# Altium PCB Middle_PCB_PC104_Shield_Positioning.PcbDoc (part 2 of 2) (continued)
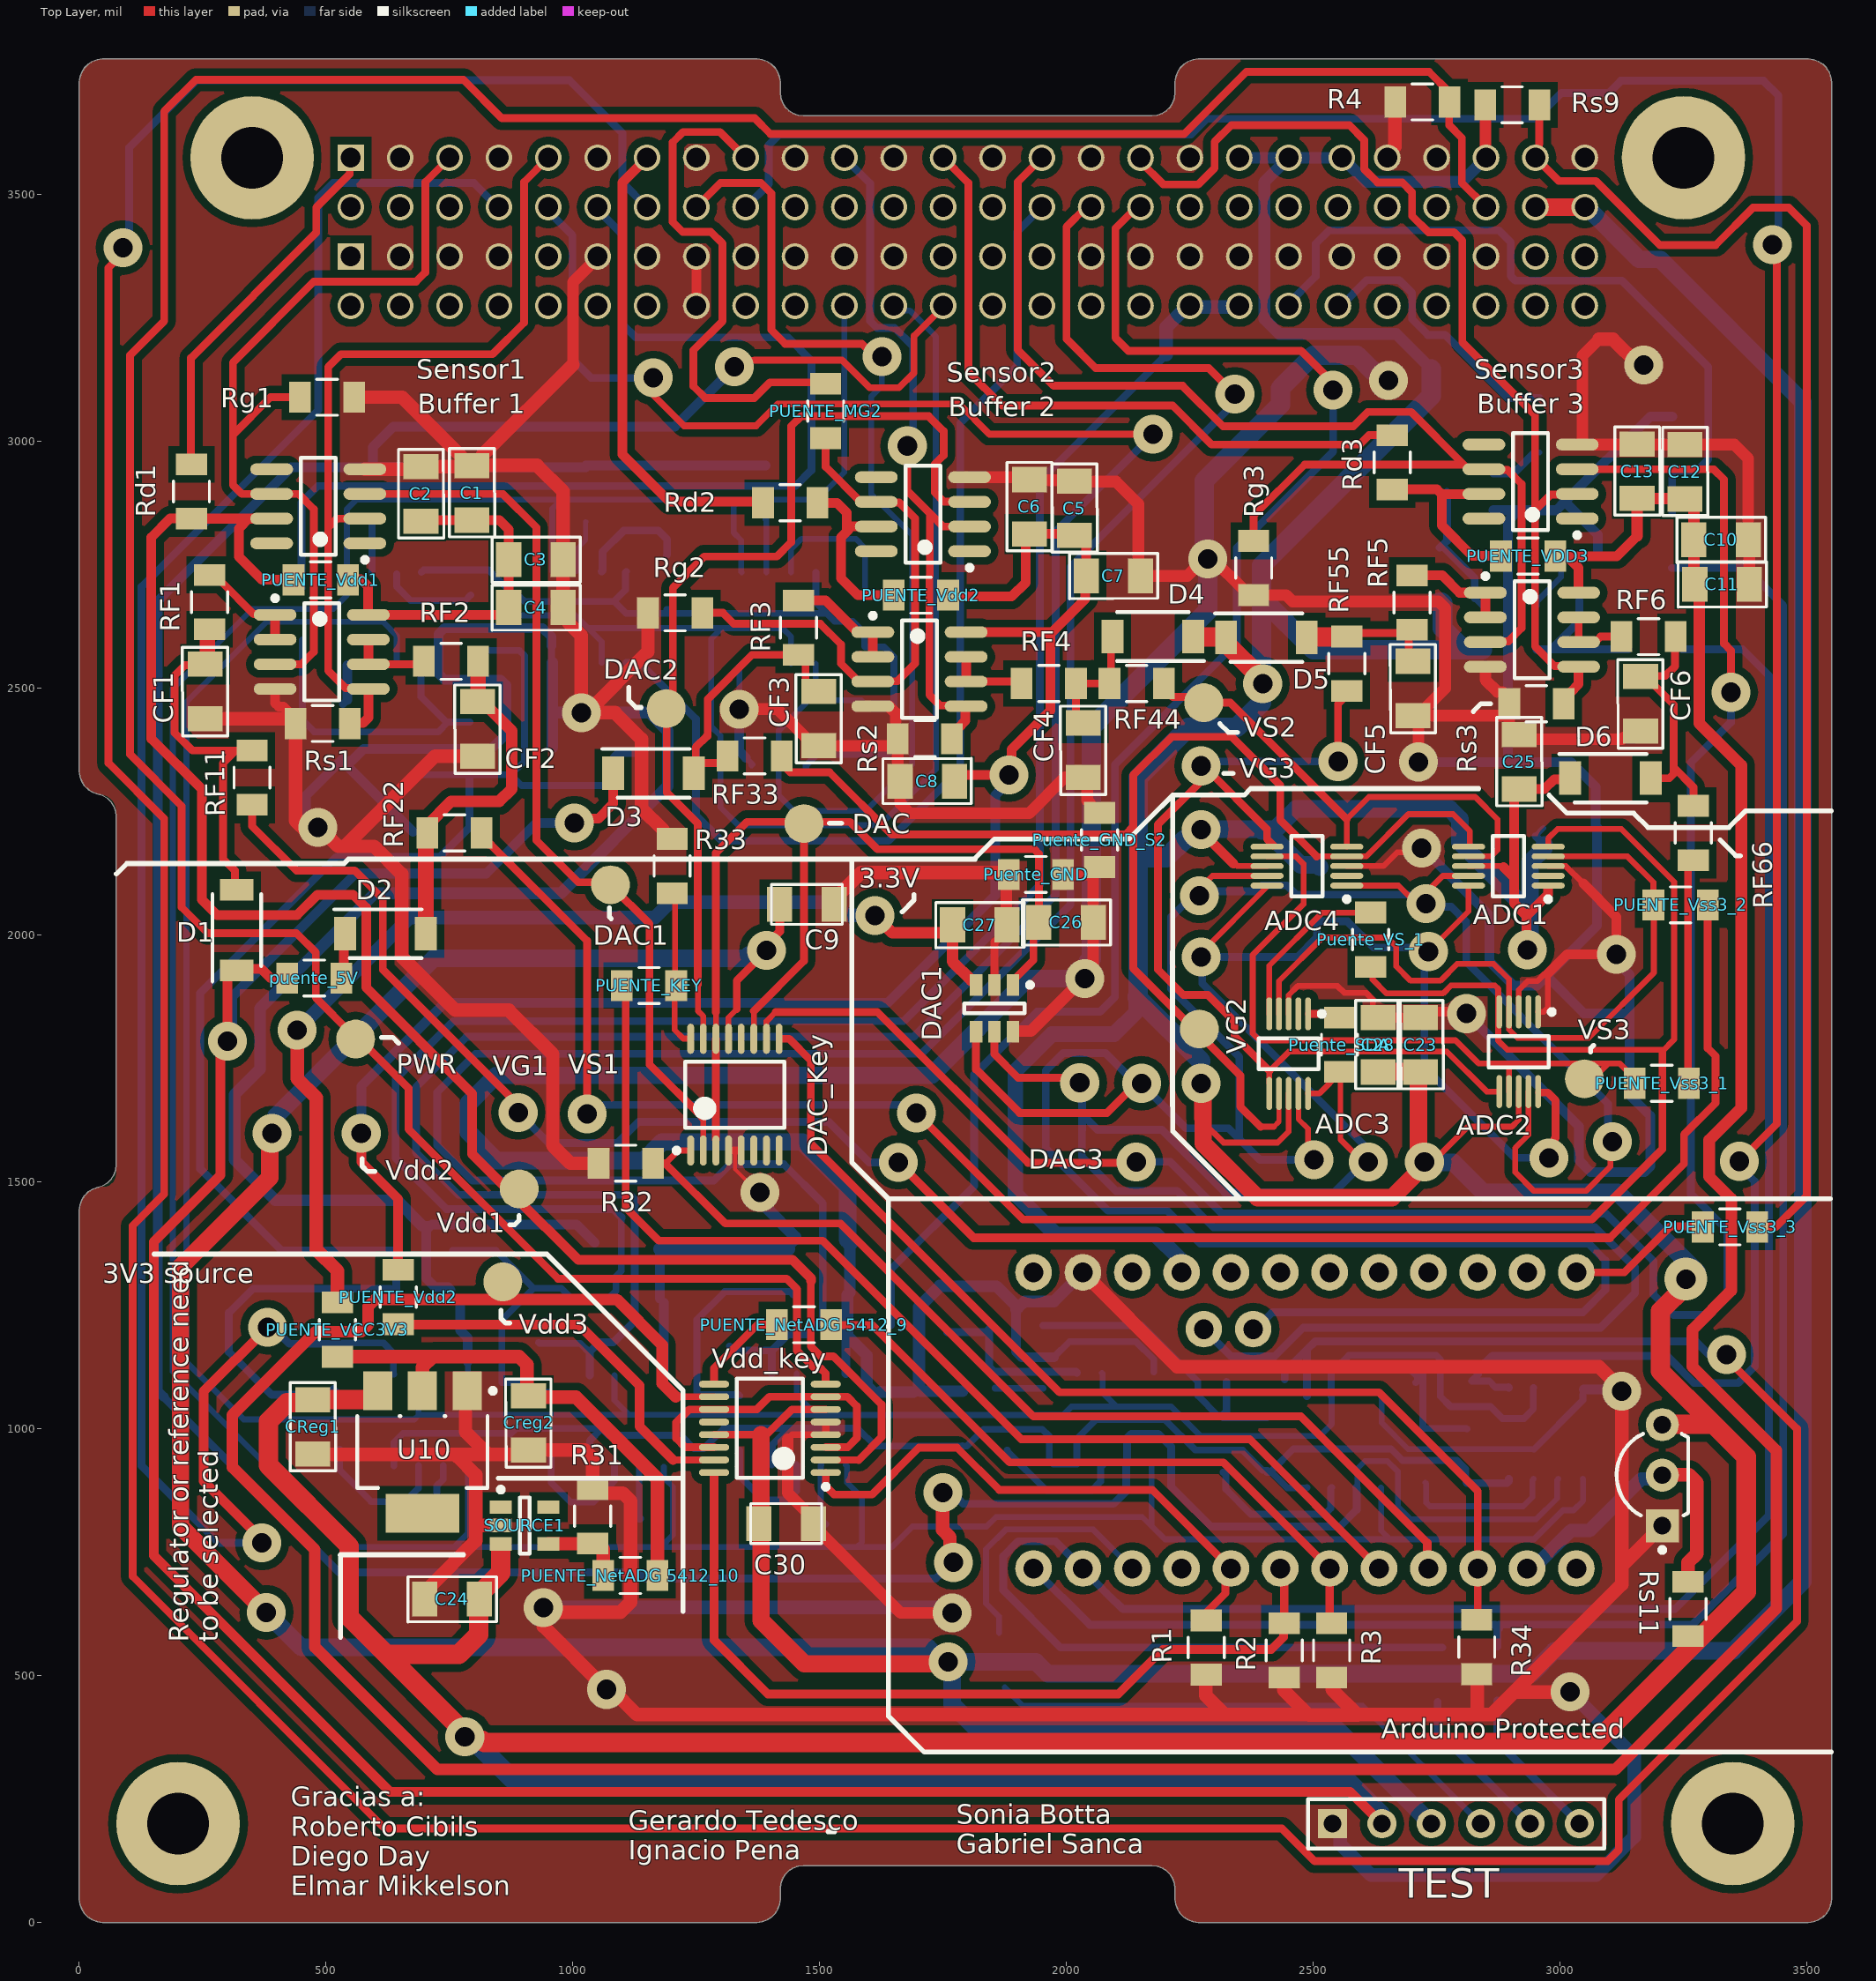
[diagram p0: Top Layer view]
## Nets (pads, with @x,y where several pads share a name; then routed paths per layer and width w, separated by ;. In a path a pad name is that pad's centre, name@x,y a point inside that pad or via, vN(x,y) a via of type N, cw(c..) or ccw(c..) an arc to the next point about the centre after c; other vN are vias at no path point) (continued)
SS_EXP1_CS_U_1: H1.16 R10.1 U3.1 | length 2300.1
  Top Layer w15.75: H1.16@1250.1,3474.84 1299.11,3523.85 1381.15,3523.85 1402,3503 1402,3226 1430,3198 1585.38,3198 1611.66,3171.72 v1(1626.1,3171.72)
  Bottom Layer w11.81: U3.1@1492.1,2549.83 1492.1,2489.85 1478.1,2475.85 ; R10.1@1584.6,2475.85 1478.1,2475.85 ; v1(1626.1,3171.72) 1626.1,3112.85 1604.1,3090.85 1604.1,2893.85 1687.1,2810.85 1687.1,2345.85 1593.1,2251.85 1448.1,2251.85 1417.1,2282.85 1417.1,2414.85 1478.1,2475.85
SS_EXP1_CS_U_2: H1.30 R6.1 U1.1 | length 2207.3
  Bottom Layer w15.75: U1.1@1108.28,2551.81 1111.73,2551.81 1111.92,2552 1135,2552 1249.1,2437.9 R6.1@1249.1,2368.85 1249.1,2243.15 1301.3,2190.95 1639.19,2190.95 1784.67,2336.43 1784.67,3037.43 1900,3152.75 1900,3424.75 H1.30@1950.1,3474.84
SS_EXP2_RXI_P: H2.42 Rs10.1 | length 560.5
  Bottom Layer w15.75: H2.42@2550.1,3272.85 2554.09,3272.85 2608.24,3327 2674,3327 2700,3301 2700,3248 2732,3216 2766.95,3216 2895.1,3087.85 Rs10.1@2958.1,3087.85
SS_EXP2_TXO_P: H2.40 Rs4.2 Rs5.1 | length 1467.1
  Bottom Layer w11.81: Rs5.1@3226.1,2853.85 Rs5.1@3227.1,2854.85
  Bottom Layer w15.75: H2.40@2446.6,3276.35 2505,3334.75 2505,3401 2532,3428 2876,3428 2900.1,3403.9 2900.1,3335.22 2909.32,3326 3125,3326 3300.1,3150.9 3300.1,2963.85 3277.1,2940.85 Rs4.2@3227.1,2940.85 Rs5.1@3227.1,2854.85
Tx: "Arduino Protected.13" PuenteTx1.1 PuenteTx1.2 Rs5.2 TEST.6 | length 4141.6
  Bottom Layer w15.75: 1933.1,716.85 2046.95,603 2869,603 2876.58,595.42 ; PuenteTx1.2@2873,449 2873,365.95 TEST.6@3039.1,199.85 ; PuenteTx1.1@2873,559 2873,599 ; 2876.58,603.17 3268.17,603.17 3452,787 3452,2667.95 3376.1,2743.85 Rs5.2@3226.1,2743.85
VCC_3.3V: C14.2 C15.2 C16.2 C17.2 C18.2 C19.2 C20.2 C21.2 C22.2 H2.36 H2.38 PUENTE_V_3.3.1 PUENTE_V_3.3.2 PUENTE_VCC_3.3V.1 PUENTE_VCC_3.3V.2 PUENTE_VDD_3.3.1 PUENTE_VDD_3.3.2 R5.2 R6.2 R7.2 R8.2 R9.2 R10.2 R14.2 R15.2 R16.2 R17.2 R18.2 R19.2 R23.2 R24.2 R25.2 R26.2 R27.2 R28.2 U1.8 U2.8 U3.8 U4.8 U5.8 U6.8 U7.8 U8.8 U9.8 | length 13595.4
  Bottom Layer w13.78: R18.2@515.01,1080.94 R18.2@527.1,1068.85 ; C19.2@629.98,1283.85 C19.2@641.98,1271.85 ; U6.8@637.1,925.33 637.1,972.1 655.85,990.85 871.1,990.85 PUENTE_VDD_3.3.2@873.1,988.85 885.1,1000.85 1058.03,1000.85 1072.03,986.85 1218.6,986.85 1245.6,959.85 PUENTE_VCC_3.3V.2@1255.1,959.85 1264.6,959.85 1305.75,1001 1437,1001 ; C15.2@686.1,2319.97 690.98,2324.85 R8.2@790.6,2324.85 ; U2.8@693.1,2735.31 697.64,2739.85 829.15,2739.85 866.49,2702.51 866.49,2701.96 881.6,2686.85 PUENTE_VCC_3.3V.2@891.1,2686.85 901.95,2676 1083.95,2676 ; PUENTE_VCC_3.3V.1@756.1,1360.85 844.6,1360.85 R17.2@920.6,1284.85 ; R7.2@792.92,2578.85 794.92,2576.85 PUENTE_VCC_3.3V.1@891.1,2576.85 902.1,2565.85 902.1,2352.85 874.1,2324.85 ; R8.2@800.1,2324.85 874.1,2324.85 ; R16.2@956.1,1069.85 952.06,1073.89 907.56,1073.89 887.6,1093.85 856.1,1093.85 856.1,1220.35 R17.2@920.6,1284.85 ; U5.8@1034.1,923.33 1034.1,976.1 1058.44,1000.44 ; C14.2@1090.16,2368.85 1085.13,2363.82 1081.1,2359.79 1081,2359.69 1081,2311.07 1072.93,2303 895.95,2303 874.1,2324.85 ; 1098.25,1426.77 1098.25,1319.25 1087.26,1308.26 1087.26,1279.14 C18.2@1068.98,1260.85 1000.43,1260.85 976.43,1284.85 R17.2@930.1,1284.85 R17.2@920.6,1284.85 ; U1.8@1108.28,2736.85 1106.4,2734.97 1106.4,2699.4 1083.95,2676.95 1083.95,2676 ; R5.2@1190.1,2659.85 R5.2@1199.6,2659.85 ; R14.2@1338.1,1066.85 1336.1,1068.85 1251.1,1068.85 1251.1,1221.35 1307.6,1277.85 R15.2@1317.1,1277.85 1439.98,1277.85 C17.2@1445.98,1271.85 ; U4.8@1403.1,926.85 1404.13,927.88 1404.13,968.13 1437,1001 ; C16.2@1472.22,2333.85 1472.22,2343.69 1494.37,2365.85 R10.2@1594.1,2365.85 1595.44,2367.2 1638.2,2367.2 1650.41,2379.41 1650.41,2563.59 1630,2584 1591.77,2584 1591,2584.77 1591,2612 1567,2636 1530.27,2636 1514.42,2651.85 ; U3.8@1492.1,2734.87 1492.1,2674.17 1514.42,2651.85 ; C20.2@1789.1,965.73 C20.2@1788.22,964.85 ; R27.2@1855.5,1082.26 1855.1,1081.85 PUENTE_V_3.3.2@1952.1,1081.85 ; R28.2@1952.1,1209.35 2152.6,1209.35 2266.1,1095.85 2266.1,1067.35 2306.6,1026.85 R25.2@2316.1,1026.85 ; R25.2@2317,1022 PUENTE_V_3.3.1@2406,1022 ; PUENTE_V_3.3.2@2406,912 PUENTE_V_3.3.2@2415.5,912 ; PUENTE_V_3.3.2@2407.1,915.85 2397.6,915.85 2356.6,956.85 2261.1,956.85 2199.1,1018.85 2059.85,1018.85 2021.1,980.1 U9.8@2021.1,928.33 1973.07,928.33 1965,936.4 1965,962.85 1965,985 1950.95,999.05 1832.25,999.05 1798.06,964.85 C20.2@1788.22,964.85 ; PUENTE_V_3.3.2@2416.4,911.1 2447.5,880 2486.25,880 U8.8@2487.1,880.85 ; PUENTE_V_3.3.2@2416.6,915.85 2459.99,959.25 2657.36,959.25 2680.55,936.06 2790.94,936.06 2809,918 2809,891.95 PUENTE_V_3.3.1@2811.1,889.85 ; R24.2@2695.99,1120.85 2711.1,1105.74 R24.2@2711.1,1096.85 R24.2@2707.75,1093.5 ; R24.2@2722.1,1115.7 2722.1,1004.85 R23.2@2726.1,1000.85 2810.1,1000.85 PUENTE_V_3.3.2@2811.1,999.85 ; 1083.95,2676 1108.1,2651.85 1190.1,2651.85 1514.42,2651.85 ; 1437,1001 1576.99,1001 1613.26,964.73 C22.2@1623.1,964.73 1709.16,964.73 1709.16,964.85 C20.2@1788.22,964.85
  Bottom Layer w15.75: R18.2@515.01,1080.39 503.47,1068.85 389.8,1068.85 303,1155.65 303,1235 351.85,1283.85 R19.2@528.1,1283.85 C19.2@629.98,1283.85 ; C19.2@641.98,1272.15 PUENTE_VCC_3.3V.2@641.98,1360.85 ; PUENTE_VCC_3.3V.2@646.1,1360.85 PUENTE_VCC_3.3V.2@641.98,1360.85 ; R8.2@790.6,2324.85 790.6,2218.6 731,2159 521,2159 244.88,1882.88 244.88,1526.41 410.44,1360.85 PUENTE_VCC_3.3V.2@641.98,1360.85 ; C14.2@1090.16,2368.85 R6.2@1139.1,2368.85 ; 1098.25,1426.77 1098.25,1428.62 1082.02,1444.85 744.1,1444.85 640.94,1548.01 640.94,1708.7 758.1,1825.85 1670.1,1825.85 1946.1,2101.85 1946.1,2920.28 2201.48,3175.66 ; R25.2@2316.1,1026.85 2324.1,1034.85 R26.2@2324.1,1095 ; PUENTE_V_3.3.1@2811.1,889.85 2892.46,889.85 2896.1,893.49 U7.8@2896.1,898.33
  Bottom Layer w27.56: 2201.48,3175.66 2201.48,3231.08 2243.24,3272.85 H2.38@2350.1,3272.85
VCC_5V: "Arduino Protected.4" ADC1.1 ADC1.8 ADC2.8 ADC3.8 ADC4.8 C23.2 C24.1 C25.2 C28.2 C29.2 CReg1.1 D1.1 D2.1 D3.1 D4.1 D5.1 D6.1 H1.37 H1.39 H1.41 H1.47 IC1.3 puente_5V.1 puente_5V.2 R29.2 R30.2 Rs6.2 Rs7.2 Rs9.1 Rs11.1 SOURCE1.3 TEST.2 U10.3 | length 21271.7
  Top Layer w11.81: 2276.67,1621.28 2318.1,1579.85 2427.85,1579.85 2450.1,1602.1 2450.1,1651.58 ADC3.8@2450.1,1679.14 ; 2341.96,2143.18 2345.28,2139.85 2378.83,2139.85 ADC4.8@2406.39,2139.85 ; v1@2759.45,1558.14 2813.16,1611.85 2902.1,1611.85 2916.1,1625.85 ADC2.8@2916.1,1683.14 ; ADC1.8@2814.39,2139.85 2883.1,2139.85 2885.1,2137.85
  Top Layer w19.68: v1@286,1791 286,1514 151,1379 151,743 630,264 2574.95,264 TEST.2@2639.1,199.85 ; v1(300,1785) 300,1921.12 D1.1@311.71,1932.83 ; D1.1@319,1928.31 322.55,1931.86 369.14,1931.86 388,1913 puente_5V.1@421,1913 ; puente_5V.2@536.25,1927.75 D2.1@536.25,2000.64 ; v1(1003,2227) 1012.38,2236.38 1051.69,2236.38 1081.61,2266.3 D3.1@1081.61,2328 ; v1@2284.51,2198.65 2338.02,2145.15 ; 2885.1,2137.85 2906.6,2116.35 ; v1(2933.68,1970.43) 2932.18,1971.94 2932.18,2038.83 ; ADC1.1@2975.81,2096.54 2975.81,2082.46 2932.18,2038.83 ; D6.1@3020.31,2318 3018.31,2316 2988,2316 2968,2296 2917.12,2296 C25.2@2917,2295.88 2906.6,2285.48 2906.6,2116.35 ; 2906.6,2116.35 2906.6,2064.41 2932.18,2038.83
  Top Layer w23.62: Rs9.1@2848,3682 2849,3681 2849,3576 H1.47@2850,3575
  Top Layer w35.43: v1(2273.11,1699.85) 2276.06,1696.9 2276.06,1629 ; 2276.67,1621.28 2276.67,1578.26 2386.93,1468 2659.25,1468 v1@2720.1,1528.85 ; C28.2@2631.1,1722.73 2632.1,1723.73 C23.2@2716.1,1723.73 ; v1@2713.1,1564.56 2713.1,1720.73 C23.2@2716.1,1723.73 ; C23.2@2717.1,1724.73 C23.2@2716.1,1723.73
  Top Layer w39.37: U10.3@604.55,1061.03 602.49,1058.97 CReg1.1@473.1,1058.97 467.19,1053.06 421.06,1053.06 383,1015 383,926 546.97,762.03 546.97,617.98 622.1,542.85 ; SOURCE1.3@853.87,755.85 853.87,708.35 816.12,670.6 809,663.48 809,583 768.85,542.85 622.1,542.85 ; D4.1@2256.69,2605 2257.69,2604 2322.31,2604 D5.1@2323.31,2603 2323.31,2591.19 2395.36,2519.14 2395.36,2511.14 v1(2397.39,2509.1) ; IC1.3@3207,1008.36 3207.64,1009 3299,1009 3305,1015 ; v2(3255,1303) 3255,1290.22 3203,1238.22 3203,1117 3305,1015 ; 622.1,542.85 781,383.95 v1(781,376) 788.53,368.47 816.37,368.47 820.84,364 3071,364 3281.25,574.25 3377,670 3377,943 3305,1015
  Bottom Layer w11.81: C29.2@2950.1,2200.97 C29.2@2965.98,2216.85
  Bottom Layer w15.75: C29.2@2950.1,2200.97 C29.2@2968.1,2182.97
  Bottom Layer w19.68: v1@310,1792 310.3,1792.3 310.3,1875.3 560,2125 824,2125 926,2227 v1(1003,2227)
  Bottom Layer w23.62: H1.37@2350.1,3574.84 H1.39@2450.1,3574.84 ; H1.41@2557.87,3575 2606.87,3526 2801,3526 H1.47@2850,3575 ; H1.41@2557.97,3574.84 H1.39@2450.1,3574.84 ; 2739,3147 2668,3218 2431,3218 2401,3248 2401,3525.75 H1.39@2450.1,3574.84
  Bottom Layer w27.56: 2139.39,1842.14 2139.39,1871.59 2143.39,1875.59
  Bottom Layer w31.5: 2139.39,1842.14 2096.68,1799.43 1970.68,1799.43 1896.1,1724.85 1896.1,1475.85 1978.1,1393.85 2180,1393.85 2228.38,1345.47 2228.38,1321.57 2233.1,1316.85
  Bottom Layer w35.43: v1@2274.11,2214.85 2392.1,2214.85 R30.2@2396.1,2210.85 2400.38,2215.14 2424.06,2215.14 2464.66,2255.73 2776.37,2255.73 2797.12,2234.98 2797.12,2187.83 2939.24,2045.71 ; R30.2@2409.88,2206.57 2474.31,2142.14 2508.81,2142.14 R29.2@2513.1,2137.85 ; v1(2725.1,1540.84) 2726.23,1539.71 2783.94,1539.71 2844.8,1478.85 3116.1,1478.85 v2@3277.22,1317.73 ; v1(2933.68,1970.43) 2939.24,1975.99 2939.24,2045.71 ; C29.2@2968.1,2182.97 2968.1,2176.69 2939.24,2147.83 2939.24,2045.71
  Bottom Layer w39.37: v1(781,376) 791.65,376 875.65,292 2563.67,292 2635.33,220.33 2635.33,203.62 TEST.2@2639.1,199.85 ; 2143.39,1875.59 2143.39,1873.56 2145.1,1871.85 ; v1@2263.05,2214.44 2242.78,2194.17 2239.58,2194.17 2201.99,2156.58 2169.37,2156.58 2145.1,2180.85 ; 2272.1,1744.85 2145.1,1871.85 ; 2739,3147 2739,3092.45 2395.1,2748.55 2395.1,2682.85 ; Rs7.2@2756.1,2674.85 2759.42,2674.85 2761.74,2672.54 2761.74,2622.21 2806.1,2577.85 ; Rs6.2@2842.1,2577.85 2806.1,2577.85 ; 2145.1,1871.85 2145.1,2180.85 ; 2145.1,2180.85 2145.1,2318.85 2247.1,2420.85 2345.1,2420.85 2395.1,2470.85 2395.1,2509.1 2395.1,2682.85 ; 2395.1,2682.85 2500.1,2577.85 2806.1,2577.85
  other v1: 2273.11,2213.85
VCC_12V: C9.2 C30.2 DAC_Key.13 H1.50 H1.52 TEST.3 Vdd_key.6 Vdd_key.13 | length 11137.1
  Top Layer w11.81: DAC_Key.13@1315.3,1790.04 1315.1,1790.25 1315.1,1833.05 1332.1,1850.05
  Top Layer w15.75: v1@355.05,651.91 v1(378.95,628) ; Vdd_key.13@1285.91,988.06 1381.1,988.06 1392.3,988.06 1443.48,1039.24 Vdd_key.6@1512.29,1039.24 ; 1332.1,1850.05 1332.1,1907.82 1392.1,1967.82 v1(1392.1,1968.82)
  Top Layer w17.72: v1(1392.1,1968.82) 1392.1,1980.6 1418.88,2007.39 C9.2@1418.88,2062.21
  Top Layer w35.43: v1@355.05,651.91 205,801.95 205,1327.75 386,1508.75 386,1594.36 v1(390.18,1598.55) ; 1381.1,988.06 1381.1,792 1381.1,611.85 1469.1,523.85 1756,523.85 v1(1760.1,527.95) ; H1.50@2950.1,3474.84 H1.52@3050.1,3474.84
  Bottom Layer w35.43: v1(378.95,628) 450,557 1719.33,557 1748.38,527.95 v1(1760.1,527.95) 1768.38,519.67 1768.38,441.62 1814,396 2542.95,396 TEST.3@2739.1,199.85 ; v1(390.18,1598.55) 398.47,1606.83 398.47,1633.47 718,1953 1349.69,1953 1357.22,1960.53 1383.81,1960.53 v1(1392.1,1968.82) ; v1@1762.43,527.95 1938.05,527.95 1962,504 2942,504 2988,550 3351.25,550 3492,690.75 3492,3080 3203.15,3368.85 3160.1,3368.85 H1.52@3054.11,3474.84
Vdd1: "Buffer 1.8" C1.2 C2.2 C3.2 C4.2 pad.10 PUENTE_Vdd1.1 PUENTE_Vdd1.2 Rd1.2 Sensor1.7 Vdd_key.2 | length 4302.2
  Top Layer w13.78: Vdd_key.2@1512.29,936.88 1579.12,936.88
  Top Layer w15.75: Sensor1.7@389.61,2843.85 Sensor1.7@421.11,2843.85 ; C2.2@692.1,2838.73 C2.2@694.1,2840.73 ; 1482.1,1299.6 1482.1,1166.9 1502.19,1146.81 1527.62,1146.81 1625.1,1049.33 1625.1,982.85 1579.12,936.88
  Top Layer w19.68: Sensor1.7@389.61,2843.85 343.1,2843.85 ; PUENTE_Vdd1.1@434.1,2719.85 370.1,2719.85 323,2766.95 323,2823.75 343.1,2843.85 ; PUENTE_Vdd1.2@544.1,2719.85 545.25,2721 571,2721 585.29,2706.71 585.29,2650.67 ; 585.59,2648.85 854.98,2648.85 C4.2@869.98,2663.85 C3.2@869.98,2760.85 870,2822 851.27,2840.73 C1.2@795.1,2840.73 C2.2@694.1,2840.73 ; 1482.1,1299.6 1482.1,1305.02 1445.11,1342 1010.95,1342 879.1,1473.85 796.1,1556.85 796.1,1678.9 581,1894 581,2056 555,2082 482,2082 441,2041 279,2041 248,2072 248,2296 146,2398 146,2806 184.09,2844.09 226.86,2844.09 Rd1.2@227.1,2843.85 343.1,2843.85
Vdd2: "Buffer 2.8" C5.2 C6.2 C7.2 C8.2 PUENTE_Vdd2.1 PUENTE_Vdd2.2 Rd2.2 Sensor2.7 Vdd_key.15 | length 4485.1
  Top Layer w13.78: 1203.07,936.88 Vdd_key.15@1263.27,936.88
  Top Layer w15.75: C8.2@1773.22,2311.85 C8.2@1786.22,2324.85 ; v1(1883.1,2324.85) v1@1888.89,2330.65 ; C5.2@2013.1,2812.73 C5.2@2016.1,2809.73 2024.1,2809.73 C5.2@2039.98,2793.85
  Top Layer w19.68: v1(571.15,1598.55) 571.15,1540.8 646.1,1465.85 PUENTE_Vdd2.2@646.1,1321.85 ; PUENTE_Vdd2.1@646.1,1211.85 646.95,1211 1011.78,1211 1135.1,1087.69 1135.1,1004.85 1203.07,936.88 ; Rd2.2@1495.1,2875.85 1495.15,2875.91 1535.09,2875.91 1555,2856 1555,2817.75 ; Sensor2.7@1614.61,2827.85 1565.1,2827.85 1555,2817.75 ; PUENTE_Vdd2.1@1650.1,2688.85 1577.1,2688.85 1543.1,2722.85 1543.1,2805.85 1555,2817.75 ; PUENTE_Vdd2.2@1760.1,2688.85 1762.95,2686 1889,2686 1917,2714 1917,2804.64 C6.2@1925.1,2812.73 C5.2@2013.1,2812.73 ; C8.2@1786.22,2324.85 v1(1883.1,2324.85) ; 1796.59,2613.85 1828.08,2613.85 1967.1,2613.85 1967.1,2454.85 1888.89,2376.65 v1@1888.89,2330.65 ; 1972.1,2615.13 2038,2681.03 2038,2720.87 2039.98,2722.85 C5.2@2039.98,2793.85
  Bottom Layer w19.68: v1(571.15,1598.55) 571.15,1693.9 740.1,1862.85 1638.1,1862.85 1856.1,2080.85 1856.1,2283.79 1883.1,2310.79 v1(1883.1,2324.85)
Vdd3: "Buffer 3.8" C10.2 C11.2 C12.2 C13.2 pad.12 PUENTE_VDD3.1 PUENTE_VDD3.2 Rd3.2 Sensor3.7 Vdd_key.10 | length 8278.3
  Top Layer w13.78: 1208.17,1064.83 Vdd_key.10@1285.91,1064.83
  Top Layer w15.75: C12.2@3252.1,2884.73 C12.2@3253.1,2883.73 3253.26,2883.73 C12.2@3270.98,2866.02 ; C11.2@3270.98,2712.85 C11.2@3272.98,2710.85
  Top Layer w19.68: Rd3.2@2660.1,2902.85 2750.87,2902.85 2760.1,2893.63 2760.1,2829.9 2822,2768 2879.95,2768 PUENTE_VDD3.2@2880.1,2767.85 ; 2765.1,2893.85 Sensor3.7@2845.61,2893.85 ; PUENTE_VDD3.1@2990.1,2767.85 3013.84,2767.85 ; 3037.59,2693.85 3037.59,2744.11 3013.84,2767.85 ; 3156.1,2808.85 3115.1,2767.85 3013.84,2767.85
  Top Layer w23.62: pad.12@857.95,1297.65 868.5,1287.1 868.5,1263.35 pad.12@870,1261.85 ; 1208.17,1064.83 1181.1,1091.9 1181.1,1169.64 1088.74,1262 870.15,1262 pad.12@870,1261.85 ; 3156.1,2808.85 C13.2@3156.1,2884.73 C12.2@3252.1,2884.73 ; C11.2@3270.98,2712.85 C10.2@3270.98,2800.85 C12.2@3270.98,2866.02 ; C11.2@3272.98,2710.85 3282,2701.83 3282,2429 3367,2344 3367,1650 3302.07,1585.07 3302.07,1510.93 3347,1466 3347,1280 3268,1201 3268,1126 3438,956 3438,635.75 3112.25,310 725,310 477.1,557.9 477.1,754.9 310,922 310,1028 478.85,1196.85 571.26,1196.85 585.1,1210.69 585.1,1248.01 598.94,1261.85 pad.12@870,1261.85
VG1: "Buffer 1.1" "Buffer 1.2" RF1.2 | length 216.1
  Top Layer w15.75: RF1.2@264.1,2729.85 273.6,2729.85 287.72,2715.73 353.09,2650.36 395.1,2650.36 396.61,2648.85
  Top Layer w19.68: 396.61,2598.85 396.61,2648.85
VG1_: ADC1.4 ADC2.4 ADC3.4 PUENTE_Vss3_2.1 PUENTE_Vss3_2.2 RF11.1 | length 5568.7
  Top Layer w7.87: 2430.41,1907.17 2431.17,1907.92
  Top Layer w11.81: ADC3.4@2430.41,1840.56 2430.41,1907.17 ; 2431.17,1907.92 2518.25,1995 2650,1995 2668,1977 2668,1937 2697.2,1907.8 2757.56,1907.8 2791.61,1941.85 2865.1,1941.85 2896.41,1910.54 ADC2.4@2896.41,1844.56 2896.41,1808.85 2913.41,1791.85 3058.1,1791.85 3190,1923.75 3190,2060.17 PUENTE_Vss3_2.1@3189,2061.17 3189,2107.1 3136.56,2159.54 ADC1.4@2975.81,2159.54
  Top Layer w15.75: RF11.1@350,2264 350,2221 440,2131 557.54,2131 615,2073.54 615,1930 889.1,1655.9 v1(889.1,1640.85) ; 3101,1387 3251,1537 3251,1596 3315,1660 3315,1755 3299,1771 PUENTE_Vss3_2.2@3299,2061.17
  Top Layer w17.72: v1(1659.1,1539.85) 1811.95,1387 3101,1387
  Bottom Layer w15.75: v1(889.1,1640.85) 950.95,1579 1090.25,1579 1133.25,1622 1518,1622 1600.15,1539.85 v1(1659.1,1539.85)
VG2: "Buffer 2.1" "Buffer 2.2" RF3.2 | length 253.6
  Top Layer w15.75: 1582.56,2567.49 1586.19,2563.85 1607.61,2563.85
  Top Layer w19.68: RF3.2@1457.1,2677.85 1512.11,2677.85 1576.11,2613.85 1607.61,2613.85 1607.61,2563.85
VG2_: ADC1.6 ADC3.7 ADC4.4 pad.7 RF33.1 | length 2643.1
  Top Layer w7.87: ADC1.6@2814.39,2179.22 2815.28,2179.22 ADC1.6@2817.1,2181.04
  Top Layer w10.63: 2420.1,1611.85 2430.41,1622.17 ADC3.7@2430.41,1679.14
  Top Layer w11.81: 2393.1,1611.85 2420.1,1611.85 ; 2506.71,2159.54 ADC4.4@2567.81,2159.54 2607.27,2159.54 2692.73,2245 2783,2245 2817.1,2210.9 ADC1.6@2817.1,2181.04
  Top Layer w15.75: RF33.1@1417,2353.38 1440.38,2330 1519.95,2330 1646.1,2203.85 2119.1,2203.85 2135.1,2219.85 ; 2393.1,1611.85 2352.1,1652.85 2352.1,1715.85 2252.04,1815.91 2135.1,1932.85 2135.1,2219.85 ; 2506.71,2159.54 2433.11,2233.14 2433.11,2303.84 2335.04,2401.91 2213.15,2401.91 2135.1,2323.85 2135.1,2219.85
VG3: "Buffer 3.1" "Buffer 3.2" RF5.2 | length 213
  Top Layer w19.68: RF5.2@2700.1,2728.85 2761.15,2728.85 2796.15,2693.85 2848.61,2693.85 2848.61,2643.85
VG3_: ADC2.6 ADC3.6 ADC4.6 RF55.1 | length 1977.2
  Top Layer w7.87: ADC4.6@2406.39,2179.22 2417.28,2179.22 2419.1,2181.04 ADC4.6@2419.1,2181.85 ; ADC3.6@2410.73,1679.14 ADC3.6@2410.73,1700.95
  Top Layer w11.81: ADC3.6@2410.73,1700.95 2410.73,1724.48 2450.25,1764 2770.65,1764 2851.5,1683.14 ADC2.6@2876.73,1683.14
  Top Layer w15.75: v1@2278.1,2316.85 2185.1,2223.85 2185.1,1930.85 2237.1,1878.85 2286.49,1878.85 2340.1,1825.24 2340.1,1795.9 2411.12,1724.88 ; v1@2278.1,2342.85 2406.39,2214.56 2406.39,2194.56 ADC4.6@2419.1,2181.85 ; v1(2550.1,2351.85) 2550.1,2468.96 RF55.1@2572.32,2491.18
  Bottom Layer w15.75: v1(2273.11,2342.85) 2282.11,2351.85 v1(2550.1,2351.85)
VS1: "Buffer 1.6" "Buffer 1.7" RF2.2 | length 165
  Top Layer w15.75: 585.59,2548.85 692.1,2548.85 RF2.2@698.1,2554.85
  Top Layer w19.68: 585.59,2548.85 585.59,2598.85
VS1_: ADC1.5 ADC2.5 ADC3.5 Puente_VS_1.1 Puente_VS_1.2 RF22.1 | length 4971.2
  Top Layer w11.81: ADC3.5@2410.73,1840.56 2410.73,1938.48 2518.1,2045.85 Puente_VS_1.2@2616.1,2045.85 ; Puente_VS_1.1@2616.1,1935.85 2620.23,1931.72 2620.23,1910 2648.38,1881.85 2762.85,1881.85 2779.15,1898.15 2867.84,1898.15 2874.76,1891.23 2874.76,1844.56 2874.76,1786.24 2893,1768 3210.32,1768 ; ADC1.5@2975.81,2179.22 2975.81,2195.81 2994.85,2214.85 3124.15,2214.85 3231,2108 3231,1788.68 3207.17,1764.85
  Top Layer w15.75: RF22.1@815,2202.25 815,2197.5 829.13,2183.37 833.88,2183.37 1028.52,1988.73 v1(1028.52,1637.97) ; v1(1695.77,1639.7) 1696.3,1639.7 1912,1424 3064.55,1424 3207.17,1566.63 3207.17,1764.85
  Bottom Layer w15.75: v1(1028.52,1637.97) 1045.57,1637.97 1063.6,1656 1662.43,1656 1678.72,1639.7 v1(1695.77,1639.7)
VS2: "Buffer 2.6" "Buffer 2.7" RF4.2 | length 164.2
  Top Layer w11.81: RF4.2@1905.1,2513.85 RF4.2@1909.1,2509.85
  Top Layer w15.75: 1796.59,2513.85 RF4.2@1905.1,2513.85
  Top Layer w19.68: 1796.59,2513.85 1796.59,2563.85
VS2_: ADC1.7 ADC4.5 pad.6 RF44.1 | length 1018.5
  Top Layer w11.81: ADC4.5@2567.81,2179.22 2567.81,2235.14 ; 2567.81,2231.42 2567.81,2235.14 ; ADC1.7@2814.39,2159.54 2859.78,2159.54 2873.1,2172.85 2873.1,2234.85 2828.1,2279.85 2612.52,2279.85 2567.81,2235.14
  Top Layer w15.75: RF44.1@2197,2510 2197,2500.5 2215.11,2482.39 2266.56,2482.39 pad.6@2278.1,2470.85 2332.1,2470.85 2567.81,2235.14
VS3: "Buffer 3.6" "Buffer 3.7" RF6.2 | length 141.1
  Top Layer w15.75: 3037.59,2643.85 3037.59,2593.85 3070.94,2593.85 3081.94,2604.85 RF6.2@3124.1,2604.85
VS3_: ADC2.7 ADC4.7 pad.5 PUENTE_Vss3_1.1 PUENTE_Vss3_1.2 RF66.1 | length 1862.1
  Top Layer w7.87: 2895.66,1740.29 2896.41,1739.54
  Top Layer w11.81: 2391.1,1786.85 2390.95,1787 ; ADC4.7@2406.39,2159.54 2464.8,2159.54 2480.1,2144.24 2480.1,2062.85 2377.23,1959.99 2377.23,1800.72 2390.95,1787 ; ADC2.7@2896.41,1683.14 2896.41,1729.7 2907,1740.29 ; pad.5@3049.1,1708.85 3066.95,1708.85 3098.39,1740.29 ; PUENTE_Vss3_1.1@3151,1700 3151,1709.5 3120.21,1740.29 3098.39,1740.29 ; 2390.95,1787 2787.95,1787 2834.66,1740.29 2895.66,1740.29 2907,1740.29 ; 2907,1740.29 3049.1,1740.29 3098.39,1740.29
  Top Layer w15.75: RF66.1@3259.1,2149 3259.1,1701.9 PUENTE_Vss3_1.2@3261,1700
pads on no net: "Arduino Protected.1" "Arduino Protected.3" "Arduino Protected.5" "Arduino Protected.6" "Arduino Protected.7" "Arduino Protected.8" "Arduino Protected.9" "Arduino Protected.10" "Arduino Protected.11" "Arduino Protected.16" "Arduino Protected.24" ADC1.2 ADC2.2 ADC3.2 ADC4.2 DAC_Key.6 DAC_Key.7 DAC_Key.8 DAC_Key.12 H1.02 H1.04 H1.06 H1.20 H1.22 H1.24 H1.26 H1.28 H1.36 H1.38 H1.40 H1.42 H1.44 H1.46 H2.01 H2.02 H2.04 H2.06 H2.08 H2.09 H2.10 H2.12 H2.14 H2.18 H2.20 H2.25 H2.28 H2.30 H2.44 H2.46 H2.48 H2.49 H2.50 H2.51 H2.52 Sensor1.1 Sensor1.5 Sensor1.8 Sensor2.1 Sensor2.5 Sensor2.8 Sensor3.1 Sensor3.5 Sensor3.8 SOURCE1.1 SOURCE1.5 U1.3 U2.3 U3.3 U4.3 U5.3 U6.3 U7.3 U8.3 U9.3 U10.4 Vdd_key.12
copper on no net: | length 17.1
  Top Layer w19.68: 2437.1,3473.85 2442.1,3473.85 ; 2444.1,3471.85 2442.1,3473.85 ; 2450,3473.85 2442.1,3473.85
  Top Layer w27.56: 2450,3473.85 2450.99,3474.84

## Polygon pours and split planes (outlines as drawn)
GND on Top Layer "GND_L01_P002" (solid, pour order 2): 0.1,3727.85 cw(c47.1,3727.85) 47.1,3774.85 1372.1,3774.85 cw(c1372.1,3726.85) 1420.1,3726.85 1420.1,3705.85 ccw(c1466.1,3705.85) 1466.1,3659.85 2173.1,3659.85 ccw(c2173.1,3706.85) 2220.1,3706.85 2220.1,3726.85 cw(c2268.1,3726.85) 2268.1,3774.85 3501.1,3774.85 cw(c3501.1,3725.85) 3550.1,3725.85 3550.1,48.85 cw(c3501.1,48.85) 3501.1,-0.15 2268.1,-0.15 cw(c2268.1,47.85) 2220.1,47.85 2220.1,67.85 ccw(c2173.1,67.85) 2173.1,114.85 1468.1,114.85 ccw(c1468.1,66.85) 1420.1,66.85 1420.1,48.85 cw(c1371.1,48.85) 1371.1,-0.15 48.1,-0.15 cw(c48.1,47.85) 0.1,47.85 0.1,1441.85 cw(c48.1,1441.85) 48.1,1489.85 ccw(c48.1,1516.85) 75.1,1516.85 75.1,2250.85 ccw(c41.1,2250.85) 41.1,2284.85 27.1,2289.85 18.1,2294.85 16.36,2296.59 cw(c55.62,2335.85) 0.1,2335.85
GND on Bottom Layer "GND_L02_P004" (solid, pour order 4): 0,3724 cw(c50,3724) 50,3774 1373,3774 cw(c1373,3727) 1420,3727 1420,3706 ccw(c1467,3706) 1467,3659 2173,3659 ccw(c2173,3706) 2220,3706 2220,3727 cw(c2267,3727) 2267,3774 3503,3774 cw(c3503,3727) 3550,3727 3550,48 cw(c3501,48) 3501,-1 2269,-1 cw(c2269,48) 2220,48 2220,67 ccw(c2173,67) 2173,114 1466,114 ccw(c1466,68) 1420,68 1420,47 cw(c1372,47) 1372,-1 48,-1 cw(c48,47) 0,47 0,1442 cw(c47,1442) 47,1489 ccw(c47,1517) 75,1517 75,2247 ccw(c37,2247) 37,2285 28,2289 21,2293 11,2302 5,2311 1,2322 0,2333

## Silkscreen, mask and mechanical layers (free items; w line width, h text height)
Top Overlay:
  lines w10: 75.1,2123.85 96.25,2145 536.25,2145 545.25,2154 1815,2154 ; 151.1,1353.85 947.1,1353.85 1223.1,1077.85 1223.1,899.85 ; 528.1,743.85 529.1,744.85 ; 529.1,577.85 529.1,744.85 ; 573,1547 573,1532 584,1521 599,1521 ; 612,1793 635,1793 647,1781 ; 778.1,744.85 529.1,744.85 ; 849.1,899.85 1223.1,899.85 ; 854,1240 854,1224 864,1214 872,1214 ; 872,1413.5 882,1413.5 891,1422.5 891,1431.5 ; 1074,2055 1074,2037 1077.62,2033.38 ; 1112.88,2502 1112.88,2476.12 1127.85,2461.15 1138.38,2461.15 ; 1223.1,629.85 1223.1,899.85 ; 1517,184 1530,184 ; 1520,2227 1544,2227 ; 1565,2154 1565,1539.95 1639.1,1465.85 ; 1667,2047 1691,2071 1691,2082 ; 1815,2156 1854,2195 2126.25,2195 2129,2197.75 2166.62,2235.38 2215.1,2283.85 ; 2214.1,1653.85 2215.1,2283.85 ; 2310.5,2428.5 2328,2411 2346,2411 ; 2319,2328 2337,2328 ; 2824,2453 2840,2469 2859,2469 ; 2835,2296.85 2373.1,2296.85 2360.1,2283.85 2215.1,2283.85 ; 2977.48,2283.47 3013.95,2247 3148.95,2247 3177.95,2218 3342,2218 3375.85,2251.85 3549.1,2251.85 ; 3062,1763 3062,1771 3068,1777 ; 3324,2193 3356,2161 3365,2161 ; 3547.1,1465.85 2352.1,1465.85 ; 3549.1,344.85 1712.1,344.85 1639.1,417.85 1639.1,521.85 1639.1,1465.85 ; 1639.1,1465.85 2352.1,1465.85 ; 2215.1,2283.85 2215.1,1602.85 2352.1,1465.85
  text "DAC2" at 1061.14,2519.85 h40 r359.16
  text "VS2" at 2359,2402 h40
  text "VG3" at 2350,2319 h40
  text "DAC" at 1566,2206 h40
  text "3.3V" at 1579,2096 h40
  text "DAC1" at 1041,1980 h40
  text "VS3" at 3036,1789 h40
  text "VG2" at 2363.1,1758.85 h40 r90
  text "PWR" at 643,1720 h39.37
  text "VS1" at 990.1,1719.85 h39.37
  text "VG1" at 837.1,1715.85 h39.37
  text "DAC3" at 1922.88,1526.6 h40
  text "Vdd2" at 620,1504 h39.37
  text "Vdd1" at 724,1398 h39.37
  text "3V3 source" at 47,1295 h40
  text "Vdd3" at 890,1193 h40
  text "Regulator or reference need  / to be selected" at 281.1,567.85 h40 r90
  text "Sonia Botta       / Gabriel Sanca" at 1777,140 h40
  text "Gerardo Tedesco / Ignacio Pena" at 1112,127 h40
  text "Gracias a: / Roberto Cibils    / Diego Day            / Elmar Mikkelson" at 428,55 h40
Bottom Overlay:
  drawing of 47 lines, arcs and shapes, not listed
  text "Not protected  / RAMs" at 306.1,3035.86 h40 r90.5
  text "Hab." at 3253,2466 h40
  text "5V to 3V3 Logic  / convertion" at 3384.1,2450.85 h40 r270.92
  text "I2C / Pull-ups" at 2667.1,1845.85 h40
  text "Low Protection / RAMs" at 224.09,1405.85 h40 r90.45
  text "High proteccion / RAMs" at 3352,752 h40 r270.18
  text "SPACE SHIELDING" at 3214,336 h51.18
  text "Federico Olivero / Matias Stamm" at 2159,289 h39.37
  text "Julio Esteban / Santiago Testa" at 1495,271 h40
  text "PCB_Middle_V.1.24-21/03/21" at 3204,265.66 h40
  text "Agustin Mazzocato" at 1491,220.33 h40
  text "Gustavo Schmidt / Rocio Santos" at 2159,147 h40
Mechanical 15:
  lines w10: 0,0 0,3575 350,3575